# Altium PCB AL1000.PcbDoc (part 2 of 4) (continued)
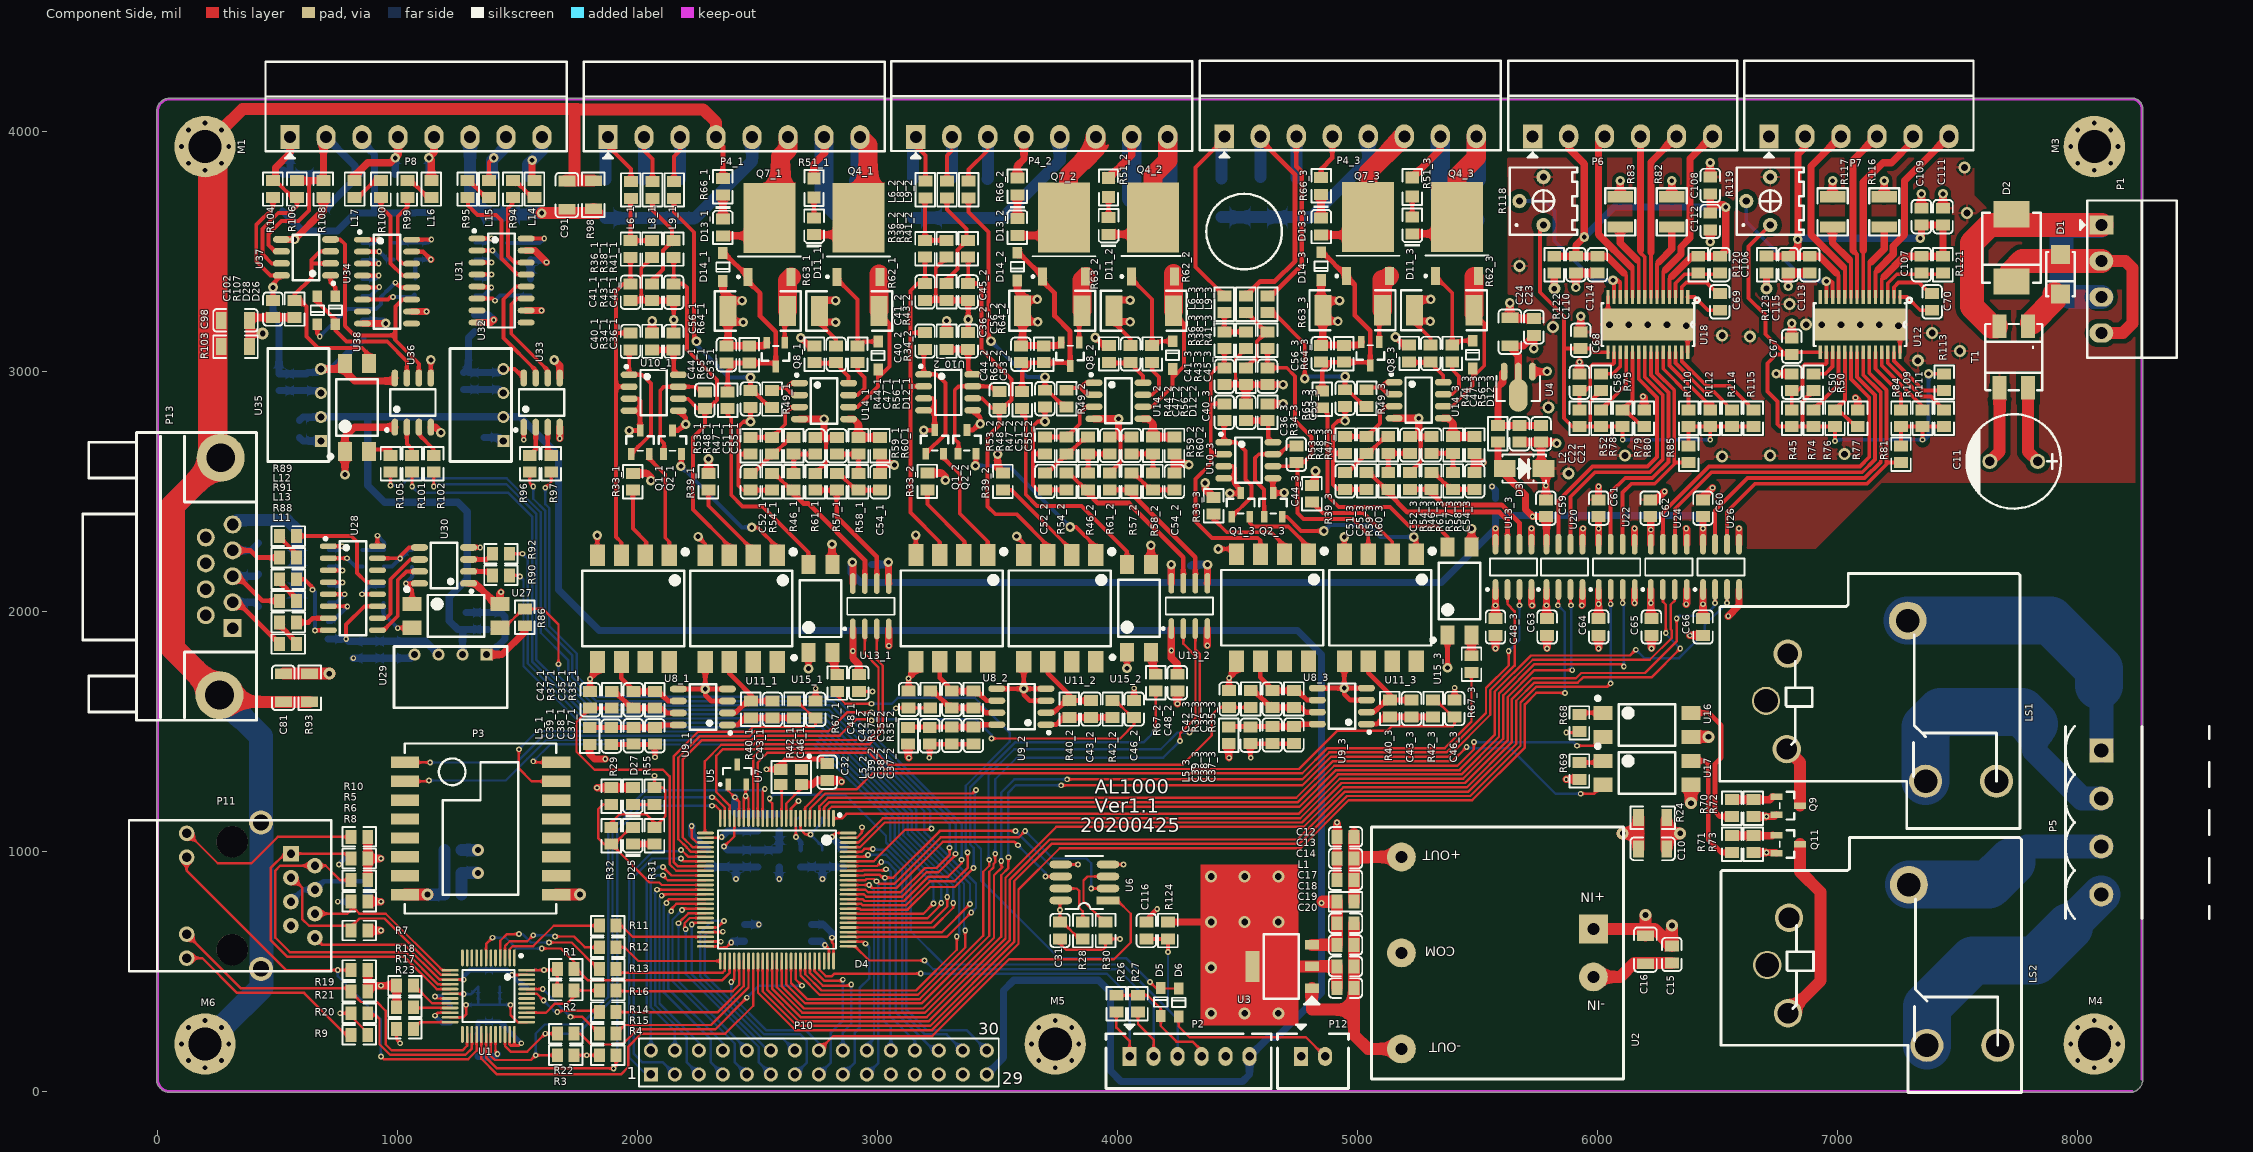
[diagram p0: Component Side view]
## Nets (pads, with @x,y where several pads share a name; then routed paths per layer and width w, separated by ;. In a path a pad name is that pad's centre, name@x,y a point inside that pad or via, vN(x,y) a via of type N, cw(c..) or ccw(c..) an arc to the next point about the centre after c; other vN are vias at no path point) (continued)
  Component Side w20: U10_1.4@1964.41,2836.38 2010,2836.38 ; U10_1.3@1964.41,2886.38 2000,2886.38 2010,2876.38 2010,2836.38 ; v2(1965,2753.19) 2001.02,2753.19 Q1_1.3@2010,2744.21 ; C41_1.1@1970,3294.96 2015,3294.96 R43_1.1@2060,3294.96 C45_1.1@2150,3294.96 2150,3240 ; Q1_1.3@2010,2769.21 2010,2836.38 ; Q2_1.3@2145,2754.21 2169.21,2754.21 v2@2195,2780 ; 2150,3185.04 v2(2150,3215) ; U10_1.5@2169.13,2836.38 2200,2805.51 v2(2200,2780) ; P4_1.4@2326.77,3976.38 2326.77,3965 2355,3936.77 R66_1.2@2355,3805.04 ; U10_2.4@3191.77,2837.8 3237.36,2837.8 ; U10_2.3@3191.77,2887.8 3227.36,2887.8 3237.36,2877.8 3237.36,2837.8 ; v2(3192.36,2754.61) 3228.39,2754.61 Q1_2.3@3237.36,2745.63 ; C41_2.1@3197.36,3296.38 3242.36,3296.38 R43_2.1@3287.36,3296.38 C45_2.1@3377.36,3296.38 v2(3377.36,3216.42) 3377.36,3186.46 ; Q1_2.3@3237.36,2770.63 3237.36,2837.8 ; Q2_2.3@3372.36,2755.63 3396.57,2755.63 v2@3422.36,2781.42 ; U10_2.5@3396.5,2837.8 3427.36,2806.93 v2(3427.36,2781.42) ; U10_3.4@4442.64,2555 4488.23,2555 ; U10_3.3@4442.64,2605 4478.23,2605 4488.23,2595 4488.23,2555 ; C41_3.1@4445,2945 4491.77,2945 R43_3.1@4535,2945 C45_3.1@4625,2945 v2(4690,2945) ; v2(4468.23,2491.81) Q1_3.3@4504.25,2491.81 ; Q1_3.3@4513.23,2492.83 4513.23,2505 4488.23,2530 4488.23,2555 ; U10_3.5@4647.36,2555 4647.36,2493.7 Q2_3.3@4648.23,2492.83 4692.83,2492.83 v2(4695,2495) ; R66_3.2@4848.23,3808.28 4848.23,3843.23 4895,3890 P4_3.4@4895,3980 ; v2@5788.94,2998.94 v2(5790,3000)
  Component Side w30: U14_1.4@2674.41,2801.38 v4(2776.77,2801.38) 2776.77,2733.27 2785,2725.04 ; R62_1.1@2758.31,3206.42 v2@2823.58,3206.42 ; R62_1.1@2758.31,3296.42 v2@2823.58,3296.42 ; v2(2810,2280) 2810,2196.26 U15_1.3@2811.77,2194.49 ; C54_1.1@3010,2575.04 3010,2615 ; R60_1.2@3010,2654.96 3010,2615 ; v2(3045,2205) 3045,2117.68 U13_1.5@3046.77,2115.91 ; v4(3070,2610) 3065,2615 3010,2615 ; R66_2.2@3582.36,3806.08 3582.36,3857.36 3610,3885 3610,3976.93 P4_2.4@3609.13,3977.8 ; U14_2.4@3901.77,2802.8 v4(4004.13,2802.8) 4004.13,2734.69 4012.36,2726.46 ; R62_2.1@3985.67,3207.83 v2@4050.94,3207.83 ; R62_2.1@3985.67,3297.83 v2@4050.94,3297.83 ; U15_2.3@4139.13,2195.91 v2(4139.13,2275) ; C54_2.1@4237.36,2576.46 4237.36,2616.42 ; R60_2.2@4237.36,2656.38 4237.36,2616.42 ; v4(4297.36,2611.42) 4292.36,2616.42 4237.36,2616.42 ; U13_2.5@4374.13,2117.32 4375,2118.19 v2(4375,2195) ; C36_3.1@4535,2865.04 R43_3.1@4535,2945 ; U14_3.4@5152.64,2805 v4(5255,2805) 5255,2736.89 5263.23,2728.66 ; R62_3.1@5236.54,3210.04 v2@5301.81,3210.04 ; R62_3.1@5236.54,3255.04 5247.78,3266.28 5247.78,3300 v2(5305,3300) ; U15_3.3@5475,2268.07 v2(5475,2345) ; C54_3.1@5488.23,2578.66 5488.23,2620 ; R60_3.2@5488.23,2658.58 5488.23,2620 ; v3(5525,2620) 5488.23,2620 ; v2(5635,3285) C24.1@5635,3223.66 5638.62,3220.04 C23.1@5735,3220.04 ; C22.1@5675,2704.96 C21.1@5765,2704.96 ; U13_3.5@5725,2280 v3(5725,2345) ; U4.1@5729.06,2998.94 v2@5788.94,2998.94 ; D3.2@5755,2595 5765,2605 C21.1@5765,2704.96 ; D3.2@5775,2595 5785,2585 v3(5785,2525.02) C59.1@5785,2465.04 ; v2(5830,2700) 5825.04,2704.96 C21.1@5765,2704.96 ; v2(5910,3350) C110.1@5910,3409.96 C114.1@6000,3409.96 ; C58.2@5925,2990.08 v3(5925,3040) ; C68.2@5930,3165.04 v2(5930,3230) ; U20.5@5937.5,2280 5937.5,2342.5 v3(5940,2345) ; C61.1@6005,2465.04 v3(6005,2520) ; R83.1@6095,3727.99 v2(6095,3795) ; U22.5@6155,2280 v3(6155,2345) ; v3(6190,2895) 6195,2890 R80.2@6195,2840.04 ; C62.1@6220,2465.04 6245.04,2465.04 v3(6280,2500) ; R82.1@6310,3727.99 v2(6310,3795) ; v3(6370,2345) 6372.5,2342.5 U24.5@6372.5,2280 ; C60.1@6440,2465.04 6440,2475 v3(6480,2515) ; v2(6470,3540) C112.1@6470,3589.96 ; C108.1@6470,3810.04 v2(6470,3870) ; U26.5@6590,2280 v3(6590,2345) ; v2(6745,2990) 6745.08,2990.08 C50.2@6810,2990.08 ; v2(6795,3355) C115.1@6795,3409.96 C113.1@6885,3409.96 ; C67.2@6810,3140.04 v2(6810,3200) ; R117.1@6980,3727.99 v2(6980,3795) ; v3(7075,2890) 7085,2880 R77.2@7085,2840.04 ; R116.1@7195,3727.99 v2(7195,3795) ; C109.1@7350,3680.04 v2(7350,3740) ; C111.1@7440,3680.04 v2(7440,3740)
  Component Side w50: M1.5@127.95,3868.11 M1.1@196.85,3937.01 M1.7@265,4005.16 ; P13.10@262,2640 265,2643 R103.2@265,3102.99 C98.2@265,3212.99 265,3937.01 M1.7@265,4005.16 ; P13.11@285.32,1622.68 C81.2@522.99,1622.68 R93.2@632.99,1622.68 ; C91.2@1702.01,3796.65 C91.2@1737.01,3796.65 ; 1750,4093.86 353.7,4093.86 M1.7@265.75,4005.91 M1.7@265,4005.16 ; R98.2@1815,3795 1813.35,3796.65 C91.2@1737.01,3796.65 ; P4_1.4@2326.77,3976.38 2326.77,4038.23 2272.44,4092.56 1737.01,4092.56 C91.2@1737.01,3796.65 ; U2.2@5982.99,476.32 6095,476.32 6153.64,534.96 C15.1@6310,534.96 ; C10.2@6288.66,1010 6288.66,1075 ; R24.2@6288.66,1130 6288.66,1075 ; v6(6345,1075) 6288.66,1075 ; v6(6389.41,1200.59) U17.3@6389.41,1277.01 ; U16.3@6389.41,1477.01 v6(6462.99,1477.01) ; C11.2@7635,2625 7676.02,2666.03 T1.3@7676.02,2932
  Component Side w100: M1.1@196.85,3937.01 217.42,3916.44 217.42,2684.58 P13.10@262,2640 63,2441 63,1845 P13.11@257,1651 P13.11@285.32,1622.68
  Solder Side w30: C49_1.1@2975,2195.04 3035.04,2195.04 v2(3045,2205) ; C49_2.1@4305,2190 4310,2195 v2(4375,2195) v2@4370,2190 ; v3(5560,2520) 5575,2505 C49_3.1@5575,2470.04
  Solder Side w50: D10_1.1@1865,3638.9 D9_1.1@2020,3638.9 D8_1.1@2175,3638.9 2238.9,3638.9 2476.77,3876.77 P4_1.5@2476.77,3976.38 ; D10_2.1@3147.36,3640.32 D9_2.1@3302.36,3640.32 3521.26,3640.32 3759.13,3878.19 P4_2.5@3759.13,3977.8 ; D10_3.1@4433.23,3642.52 D9_3.1@4588.23,3642.52 D8_3.1@4743.23,3642.52 4807.13,3642.52 5045,3880.39 P4_3.5@5045,3980
  Solder Side w100: M6.1@196.85,196.85 M6.7@265.75,265.75 433,433 433,1117 P11.13@430,1120 430,1478 P13.11@257,1651 63,1845 63,2441 P13.10@262,2640
  other v2: 2825,3205 4052.36,3206.42 5303.23,3208.62 2825,3295 4052.36,3296.42
  other v5: 5880,2575 6520,2645 6115,2650 6720,2650 7030,2655 5795,2850 7335,3045 7510,3085 6635,3145 6520,3150 7395,3160 5815,3185 6370,3190 7255,3190 6050,3195 6870,3195 6935,3195 6800,3280 5675,3440 7540,3660 7530,3850
GRS1: C74.2 C75.2 C78.2 C79.1 C80.1 C81.1 D15.1 D16.1 D17.1 P13.5 R93.1 U28.11 U28.15 U29.3 U30.5 | length 1847.6
  Component Side w16: v1(785.04,1884.96) 785.04,1945.04 861.34,2021.34 U28.11@915.51,2021.34 ; U28.15@915.51,2221.34 v1@1001.34,2221.34 ; v1@1005,2225 1046.34,2266.34 U30.5@1090.63,2266.34
  Component Side w50: C81.1@522.99,1740 R93.1@632.99,1740 v6(715,1740)
  Solder Side w16: C74.2@942.99,2186.3 976.3,2186.3 v1(1010,2220) 1045.04,2255.04 C75.2@1060,2255.04
  Solder Side w30: C80.1@710,1884.96 v1(785.04,1884.96) 794.96,1875.04 C79.1@880,1875.04 C78.2@970,1875.04 1114.96,1875.04 U29.3@1170,1820
  Solder Side w50: P13.5@312,2362 330,2380 540,2380 581.1,2338.9 D16.1@581.1,2290 D15.1@581.1,2155 D17.1@581.1,2020
GRS2: C85.2 C86.2 C88.2 C89.1 C90.1 C91.1 D18.1 D19.1 P8.6 R98.1 U31.8 U31.10 U31.15 U32.3 U33.5 | length 1564.5
  Component Side w30: U31.8@1330.63,3203.86 1388.86,3203.86 v1(1400,3215) ; U31.10@1535.35,3253.86 v1(1598.86,3253.86) ; U31.15@1535.35,3503.86 1571.14,3503.86 v1(1620,3455) ; v4(1652.5,3047.5) 1675,3025 U33.5@1675,2972.36
  Component Side w50: v4(1600,3660) R98.1@1797.32,3660 ; R98.1@1815,3677.68 R98.1@1797.32,3660 ; R98.1@1832.32,3660 R98.1@1797.32,3660
  Solder Side w30: C89.1@1275,2924.96 C86.2@1365,2924.96 1425.04,2924.96 U32.3@1440,2910 ; C85.2@1320,3235.08 1379.92,3235.08 v1(1400,3215) ; C90.1@1552.99,3386.38 1552.99,3462.99 C88.2@1555,3465 ; C88.2@1565,3464.96 1610.04,3464.96 v1(1620,3455)
  Solder Side w50: P8.6@1301.18,3976.38 1301.18,3725 1372.32,3653.86 D18.1@1392.99,3653.86 D19.1@1542.99,3653.86 1549.13,3660 v4(1600,3660)
GRS3: C95.2 C96.2 C97.1 C98.1 C100.2 C101.1 C102.1 D20.1 D21.1 D23.1 D24.1 P8.3 R103.1 R107.2 R108.2 U34.8 U34.10 U34.15 U35.3 U36.5 U37.5 | length 2389.4
  Component Side w16: U34.15@1057.72,3499.41 1104.92,3499.41 v1(1138.03,3466.3) ; U36.5@1137.99,2972.36 v4(1137.99,3047.99)
  Component Side w30: R103.1@382.32,3102.99 382.32,3157.99 ; v6(437.01,3157.99) 382.32,3157.99 ; U37.5@515.28,3550 v4(570,3550) 690,3670 R108.2@690,3724.96 ; R107.2@570,3224.96 C102.1@480,3224.96 394.29,3224.96 C98.1@382.32,3212.99 382.32,3157.99 ; U34.8@852.99,3199.41 949.41,3199.41 v4(950,3200) ; U34.10@1057.72,3249.41 v1(1119.41,3249.41) ; v1@1137.99,3466.26 v1(1138.03,3466.3)
  Solder Side w16: C97.1@1072.99,3386.38 C96.2@1072.99,3466.3 v1(1138.03,3466.3)
  Solder Side w30: C101.1@505,2919.96 C100.2@595,2919.96 670.04,2919.96 U35.3@680,2910 ; D24.1@520,3668.9 D24.1@540,3648.9 ; D24.1@540,3660 D24.1@540,3648.9 ; P8.3@852.99,3953.86 902.99,3903.86 902.99,3662.99 ; C95.2@855,3210.04 939.96,3210.04 v4(950,3200) ; D21.1@1130,3660 1127.24,3662.76 1075,3662.76 1072.48,3660.24 822.99,3660.24 747.76,3585 603.9,3585 D24.1@540,3648.9
NC: U2.4
NetC3_1: C3.1 C4.1 C5.1 C6.2 U1.18 U1.23 U1.37 | length 697.5
  Component Side w10: U1.23@1218.54,307.76 1272.76,307.76 1285,320 v1(1285,360) ; U1.18@1218.54,406.18 1273.82,406.18 v1(1275,405) ; v1(1470,360) 1470,318.07 1500,288.07 U1.37@1537.44,288.07
  Solder Side w10: v1(1275,405) 1305.04,405 C6.2@1335,434.96 C3.1@1335,360.04 ; v1(1285,360) C3.1@1335,360.04 ; C3.1@1335,360.04 C4.1@1425,360.04 C4.1@1425,360.04 ; C5.1@1425,434.96 C4.1@1425,360.04 ; v1(1470,360) C4.1@1425,360.04
NetC12_2: C12.2 C13.2 C14.2 L1.1 U2.5 | length 476.9
  Component Side w50: L1.1@4985.04,790 C14.2@4985.04,880 C13.2@4985.04,970 C12.2@4985.04,1060 C12.2@4985.04,1072.65 ; C13.2@4988.72,976.32 U2.5@5182.99,976.32
NetC21_2: C21.2 C22.2 L2.1 U4.3 | length 414.6
  Component Side w30: U4.3@5610.94,2998.94 5605,2992.99 5605,2955 5585,2935 L2.1@5585,2775.04 C22.2@5675,2775.04 C21.2@5765,2775.04
NetC33_2: C33.2 C34.1 L4.1 P3.8 | length 350.2
  Component Side w50: P3.8@1030.04,819.41 v6(1124.41,819.41)
  Solder Side w50: v6(1124.41,819.41) 1194.37,819.41 C33.2@1194.96,820 C34.1@1194.96,910 L4.1@1194.96,1005
NetC35_1_1: C35_1.1 R35_1.2 U8_1.6 U9_1.6 | length 349.5
  Component Side w20: U8_1.6@1931.77,1788.98 1931.77,1721.42 C35_1.1@1986.73,1666.46 ; C35_1.1@1981.77,1666.46 C35_1.1@1986.73,1666.46 ; U9_1.6@2169.41,1626.42 2126.77,1626.42 2086.73,1666.46 R35_1.2@2071.77,1666.46 C35_1.1@1986.73,1666.46
NetC35_1_2: C35_1.2 R35_1.1 R37_1.1 U9_1.7 | length 314.9
  Component Side w20: R37_1.1@1891.77,1666.46 1904.54,1666.46 1974.62,1596.38 C35_1.2@1981.77,1596.38 R35_1.1@2071.77,1596.38 2101.81,1596.38 2121.77,1576.42 U9_1.7@2169.41,1576.42
NetC35_2_1: C35_2.1 R35_2.2 U8_2.6 U9_2.6 | length 349.5
  Component Side w20: U8_2.6@3259.13,1790.39 3259.13,1722.83 C35_2.1@3314.09,1667.87 ; C35_2.1@3309.13,1667.87 C35_2.1@3314.09,1667.87 ; U9_2.6@3496.77,1627.83 3454.13,1627.83 3414.09,1667.87 R35_2.2@3399.13,1667.87 C35_2.1@3314.09,1667.87
NetC35_2_2: C35_2.2 R35_2.1 R37_2.1 U9_2.7 | length 314.9
  Component Side w20: R37_2.1@3219.13,1667.87 3231.91,1667.87 3301.99,1597.8 C35_2.2@3309.13,1597.8 R35_2.1@3399.13,1597.8 3429.17,1597.8 3449.13,1577.83 U9_2.7@3496.77,1577.83
NetC35_3_1: C35_3.1 R35_3.2 U8_3.6 U9_3.6 | length 349.5
  Component Side w20: U8_3.6@4595,1792.6 4595,1725.04 C35_3.1@4649.96,1670.08 ; C35_3.1@4645,1670.08 C35_3.1@4649.96,1670.08 ; U9_3.6@4832.64,1630.04 4790,1630.04 4749.96,1670.08 R35_3.2@4735,1670.08 C35_3.1@4649.96,1670.08
NetC35_3_2: C35_3.2 R35_3.1 R37_3.1 U9_3.7 | length 314.9
  Component Side w20: R37_3.1@4555,1670.08 4567.77,1670.08 4637.85,1600 C35_3.2@4645,1600 R35_3.1@4735,1600 4765.04,1600 4785,1580.04 U9_3.7@4832.64,1580.04
NetC36_1_2: C36_1.2 R34_1.1 U10_1.8 | length 211.5
  Component Side w20: R34_1.1@2060,3089.96 C36_1.2@2150,3089.96 ; C36_1.2@2150,3099.96 C36_1.2@2150,3089.96 ; U10_1.8@2169.13,2986.38 2150,3005.51 C36_1.2@2150,3089.96
NetC36_2_2: C36_2.2 R34_2.1 U10_2.8 | length 211.5
  Component Side w20: R34_2.1@3287.36,3091.38 C36_2.2@3377.36,3091.38 ; C36_2.2@3377.36,3101.38 C36_2.2@3377.36,3091.38 ; U10_2.8@3396.5,2987.8 3377.36,3006.93 C36_2.2@3377.36,3091.38
NetC36_3_2: C36_3.2 R34_3.1 U10_3.8 | length 211.5
  Component Side w20: C36_3.2@4535,2794.96 R34_3.1@4625,2794.96 R34_3.1@4625,2794.96 R34_3.1@4625,2804.92 ; R34_3.1@4628.23,2808.58 4628.23,2724.13 U10_3.8@4647.36,2705
NetC37_1_2: C37_1.2 C38_1.2 C39_1.2 L5_1.2 U9_1.8 | length 374.1
  Component Side w20: L5_1.2@1800,1515.04 1801.42,1516.46 C38_1.2@1981.77,1516.46 C37_1.2@2071.77,1516.46 2084.29,1516.46 2094.25,1526.42 U9_1.8@2169.41,1526.42
NetC37_2_2: C37_2.2 C38_2.2 C39_2.2 L5_2.2 U9_2.8 | length 374.1
  Component Side w20: L5_2.2@3127.36,1516.46 3128.78,1517.87 C38_2.2@3309.13,1517.87 C37_2.2@3399.13,1517.87 3411.65,1517.87 3421.61,1527.83 U9_2.8@3496.77,1527.83
NetC37_3_2: C37_3.2 C38_3.2 C39_3.2 L5_3.2 U9_3.8 | length 374.1
  Component Side w20: L5_3.2@4463.23,1518.66 4464.65,1520.08 C38_3.2@4645,1520.08 C37_3.2@4735,1520.08 4747.52,1520.08 4757.48,1530.04 U9_3.8@4832.64,1530.04
NetC40_1_1: C40_1.1 C41_1.2 R36_1.1 U8_1.3 U10_1.2 | length 1409
  Component Side w16: U8_1.3@1931.77,2233.86 1931.77,2288.23 1910,2310 1910,2936.38 ; U10_1.2@1964.41,2936.38 1910,2936.38 ; C40_1.1@1970,3160.04 1914.96,3160.04 1910,3165 ; R36_1.1@1970,3474.96 C41_1.2@1970,3365.04 1940.04,3365.04 1910,3335 1910,3165 ; 1910,2936.38 1910,3165
NetC40_1_2: C40_1.2 Q1_1.1 U10_1.1 | length 550.4
  Component Side w16: C40_1.2@1965,3093.78 C40_1.2@1965,3084.96 ; C40_1.2@1970,3089.96 C40_1.2@1965,3084.96 ; Q1_1.1@1972.6,2655.79 2055,2738.19 2055,2950 2018.62,2986.38 U10_1.1@1964.41,2986.38 1965,2986.97 C40_1.2@1965,3083.78 ; C40_1.2@1965,3083.78 C40_1.2@1965,3084.96 ; C40_1.2@1965,3083.78 1964.41,3084.37 C40_1.2@1965,3084.96
NetC40_2_1: C40_2.1 C41_2.2 R36_2.1 U8_2.3 U10_2.2 | length 1450.4
  Component Side w16: U10_2.2@3191.77,2937.8 3137.36,2937.8 ; C40_2.1@3197.36,3161.46 3142.32,3161.46 3137.36,3166.42 ; R36_2.1@3197.36,3476.38 C41_2.2@3197.36,3366.46 3167.4,3366.46 3137.36,3336.42 3137.36,3166.42 ; U8_2.3@3259.13,2235.28 3259.13,2289.65 3137.36,2411.42 3137.36,2937.8 ; 3137.36,2937.8 3137.36,3166.42
NetC40_2_2: C40_2.2 Q1_2.1 U10_2.1 | length 550.4
  Component Side w16: C40_2.2@3192.36,3095.2 C40_2.2@3192.36,3086.38 ; C40_2.2@3197.36,3091.38 C40_2.2@3192.36,3086.38 ; Q1_2.1@3199.96,2657.2 3282.36,2739.61 3282.36,2951.42 3245.98,2987.8 U10_2.1@3191.77,2987.8 3192.36,2988.39 C40_2.2@3192.36,3085.2 ; C40_2.2@3192.36,3085.2 C40_2.2@3192.36,3086.38 ; C40_2.2@3192.36,3085.2 3191.77,3085.79 C40_2.2@3192.36,3086.38
NetC40_3_1: C40_3.1 C41_3.2 R36_3.1 U8_3.3 U10_3.2 | length 1269.8
  Component Side w16: U10_3.2@4442.64,2655 4388.23,2655 ; C40_3.1@4445,2865 4389.96,2865 4388.23,2866.73 ; R36_3.1@4445,3105 R36_3.1@4445,3095.08 C41_3.2@4445,3015.08 4415.04,3015.08 4388.23,2988.27 4388.23,2866.73 ; U8_3.3@4595,2237.48 4595,2295 4584.2,2305.8 4394.2,2305.8 4325,2375 4325,2551.77 4388.23,2615 4388.23,2655 ; 4388.23,2655 4388.23,2866.73
NetC40_3_2: C40_3.2 Q1_3.1 U10_3.1 | length 540.7
  Component Side w16: C40_3.2@4440,2798.74 C40_3.2@4440,2789.92 ; C40_3.2@4443.23,2802.4 C40_3.2@4443.23,2793.15 ; C40_3.2@4445,2794.92 C40_3.2@4443.23,2793.15 ; Q1_3.1@4475.83,2394.41 4558.23,2476.81 4558.23,2525 4533.23,2550 4533.23,2668.62 4496.85,2705 U10_3.1@4442.64,2705 4443.23,2705.59 C40_3.2@4443.23,2793.15 ; C40_3.2@4440,2789.92 4439.41,2789.33 4440,2788.74 C40_3.2@4440,2789.92 ; C40_3.2@4440,2789.92 C40_3.2@4443.23,2793.15
NetC42_2_2: C42_2.2 D4.30 R37_2.2 | length 1611.3
  Component Side w10: D4.30@2282.76,997.48 2222.52,997.48 2205,1015 2205,1015.36 2190.36,1030 2190,1030 2169,1051 2169,1389.91 2259.09,1480 2467.37,1480 2487.37,1500 2795,1500 2875,1580 v1(2975,1580) ; v3(3076.38,1596.38) 3077.8,1597.8 C42_2.2@3129.13,1597.8 R37_2.2@3219.13,1597.8
  Solder Side w10: v1(2975,1580) 3060,1580 v3(3076.38,1596.38)
NetC43_1_1: C43_1.1 R40_1.2 U9_1.2 U11_1.6 | length 393.5
  Component Side w20: U9_1.2@2374.13,1576.42 2406.77,1576.42 2456.81,1626.46 R40_1.2@2471.77,1626.46 ; U11_1.6@2381.77,1788.98 2381.77,1741.42 2496.73,1626.46 C43_1.1@2561.77,1626.46
NetC43_1_2: C43_1.2 R40_1.1 R42_1.1 U9_1.1 | length 290
  Component Side w20: U9_1.1@2374.13,1526.42 2416.77,1526.42 2446.73,1556.38 R40_1.1@2471.77,1556.38 C43_1.2@2561.77,1556.38 R42_1.1@2651.77,1556.38
NetC43_2_1: C43_2.1 R40_2.2 U9_2.2 U11_2.6 | length 393.5
  Component Side w20: U9_2.2@3701.5,1577.83 3734.13,1577.83 3784.17,1627.87 R40_2.2@3799.13,1627.87 ; U11_2.6@3709.13,1790.39 3709.13,1742.83 3824.09,1627.87 C43_2.1@3889.13,1627.87
NetC43_2_2: C43_2.2 R40_2.1 R42_2.1 U9_2.1 | length 290
  Component Side w20: U9_2.1@3701.5,1527.83 3744.13,1527.83 3774.09,1557.8 R40_2.1@3799.13,1557.8 C43_2.2@3889.13,1557.8 R42_2.1@3979.13,1557.8
NetC43_3_1: C43_3.1 R40_3.2 U9_3.2 U11_3.6 | length 393.5
  Component Side w20: U9_3.2@5037.36,1580.04 5070,1580.04 5120.04,1630.08 R40_3.2@5135,1630.08 ; U11_3.6@5045,1792.6 5045,1745.04 5159.96,1630.08 C43_3.1@5225,1630.08
NetC43_3_2: C43_3.2 R40_3.1 R42_3.1 U9_3.1 | length 290
  Component Side w20: U9_3.1@5037.36,1530.04 5080,1530.04 5109.96,1560 R40_3.1@5135,1560 C43_3.2@5225,1560 R42_3.1@5315,1560
NetC44_1_1: C44_1.1 C45_1.2 R41_1.1 U10_1.6 U11_1.3 | length 1580.1
  Component Side w16: R41_1.1@2150,3474.92 C45_1.2@2150,3365.04 2189.96,3365.04 2205,3350 2205,3090 2330,2965 2330,2880 2294.96,2844.96 C44_1.1@2280,2844.96 ; U10_1.6@2169.13,2886.38 2208.62,2886.38 2250.04,2844.96 C44_1.1@2280,2844.96 ; U11_1.3@2381.77,2233.86 2381.77,2273.23 2229.96,2425.04 2229.96,2724.96 2280,2775 C44_1.1@2280,2844.96
NetC44_1_2: C44_1.2 Q2_1.1 U10_1.7 | length 483.7
  Component Side w16: Q2_1.1@2107.6,2645.79 Q2_1.1@2107.6,2655.79 2110,2658.19 2110,2700 2094,2716 2094,2920.38 2110,2936.38 U10_1.7@2169.13,2936.38 2243.62,2936.38 2264.96,2915.04 C44_1.2@2280,2915.04
NetC44_2_1: C44_2.1 C45_2.2 R41_2.1 U10_2.6 U11_2.3 | length 1673.6
  Component Side w16: R41_2.1@3377.36,3476.34 C45_2.2@3377.36,3366.46 3417.32,3366.46 3432.36,3351.42 3432.36,3091.42 3557.36,2966.42 3557.36,2881.42 3522.32,2846.38 C44_2.1@3507.36,2846.38 ; U10_2.6@3396.5,2887.8 3435.98,2887.8 3477.4,2846.38 C44_2.1@3507.36,2846.38 ; U11_2.3@3709.13,2235.28 3709.13,2274.65 3578.78,2405 3490,2405 3457.32,2437.68 3457.32,2726.38 3507.36,2776.42 C44_2.1@3507.36,2846.38
NetC44_2_2: C44_2.2 Q2_2.1 U10_2.7 | length 483.7
  Component Side w16: Q2_2.1@3334.96,2647.2 Q2_2.1@3334.96,2657.2 3337.36,2659.61 3337.36,2701.42 3321.36,2717.42 3321.36,2921.8 3337.36,2937.8 U10_2.7@3396.5,2937.8 3470.98,2937.8 3492.32,2916.46 C44_2.2@3507.36,2916.46
NetC44_3_1: C44_3.1 C45_3.2 R41_3.1 U10_3.6 U11_3.3 | length 1363.9
  Component Side w16: R41_3.1@4625,3104.96 R41_3.1@4625,3095.04 C45_3.2@4625,3015.08 4704.92,3015.08 4740,2980 4740,2795 4808.23,2726.77 4808.23,2653.23 4774.96,2619.96 C44_3.1@4745,2619.96 ; U10_3.6@4647.36,2605 4750,2605 4750,2410 4775,2385 4980,2385 5045,2320 U11_3.3@5045,2237.48
NetC44_3_2: C44_3.2 Q2_3.1 U10_3.7 | length 469.1
  Component Side w16: 4610,2423.23 4610.83,2422.4 ; Q2_3.1@4610.83,2384.41 Q2_3.1@4610.83,2394.41 4610.83,2422.4 ; 4613.23,2420 4610.83,2422.4 ; C44_3.2@4745,2690.04 4710,2690.04 4674.96,2655 U10_3.7@4647.36,2655 4588.23,2655 4572.23,2639 4572.23,2544.94 4610,2507.17 4610,2455 4610.83,2454.17 4610.83,2422.4
NetC46_2_2: C46_2.2 D4.29 R42_2.2 | length 2605.3
  Component Side w10: D4.29@2282.76,1017.17 2228.29,1017.17 2223,1022.46 2223,1022.81 2197.81,1048 2197.46,1048 2187,1058.46 2187,1382.46 2266.54,1462 2474.82,1462 2494.82,1482 2842,1482 2910,1550 2970,1550 v1(2975,1545) ; v3(3475,1470) 4010.94,1470 4069.13,1528.19 C46_2.2@4069.13,1557.8 4061.44,1557.8 3991.36,1627.87 R42_2.2@3979.13,1627.87
  Solder Side w10: v1@2975,1550 3410,1550 3475,1485 v3(3475,1470)
NetC47_1_2: C47_1.2 R44_1.2 U14_1.8 | length 197.2
  Component Side w16: R44_1.2@2736.77,3036.34 2739.13,3033.98 C47_1.2@2824.41,3033.98 ; C47_1.2@2826.77,3036.34 C47_1.2@2824.41,3033.98 ; U14_1.8@2879.13,2951.38 2879.13,2979.25 C47_1.2@2824.41,3033.98
NetC47_2_2: C47_2.2 R44_2.2 U14_2.8 | length 197.2
  Component Side w16: R44_2.2@3964.13,3037.76 3966.5,3035.39 C47_2.2@4051.77,3035.39 ; C47_2.2@4054.13,3037.76 C47_2.2@4051.77,3035.39 ; U14_2.8@4106.5,2952.8 4106.5,2980.67 C47_2.2@4051.77,3035.39
NetC47_3_2: C47_3.2 R44_3.2 U14_3.8 | length 197.2
  Component Side w16: R44_3.2@5215,3039.96 5217.36,3037.6 C47_3.2@5302.64,3037.6 ; C47_3.2@5305,3039.96 C47_3.2@5302.64,3037.6 ; U14_3.8@5357.36,2955 5357.36,2982.87 C47_3.2@5302.64,3037.6
NetC50_1: C50.1 R45.2 U12.16 | length 363.7
  Component Side w16: R45.2@6810,2840.04 C50.1@6810,2920 6835,2920 6855,2940 6855,3019.44 6865.56,3030 6950,3030 6954,3034 U12.16@6954,3080
NetC51_1_2: C51_1.2 R46_1.1 R47_1.2 | length 169.9
  Component Side w16: R46_1.1@2650,2575.04 R47_1.2@2650,2654.96 C51_1.2@2740,2654.96
NetC51_2_2: C51_2.2 R46_2.1 R47_2.2 | length 169.9
  Component Side w16: R46_2.1@3877.36,2576.46 R47_2.2@3877.36,2656.38 C51_2.2@3967.36,2656.38
NetC51_3_2: C51_3.2 R46_3.1 R47_3.2 | length 169.9
  Component Side w16: R46_3.1@5128.23,2578.66 R47_3.2@5128.23,2658.58 C51_3.2@5218.23,2658.58
NetC52_1_2: C52_1.2 R47_1.1 R48_1.2 | length 242.1
  Component Side w16: C52_1.2@2480.08,2575.04 R48_1.2@2560,2654.96 ; R48_1.2@2567.15,2654.96 R47_1.1@2637.23,2725.04
  Component Side w20: C52_1.2@2470,2575.04 C52_1.2@2480.08,2575.04 ; R48_1.2@2560,2654.96 R48_1.2@2567.15,2654.96 ; R47_1.1@2637.23,2725.04 R47_1.1@2650,2725.04
NetC52_2_2: C52_2.2 R47_2.1 R48_2.2 | length 242.1
  Component Side w16: C52_2.2@3707.44,2576.46 R48_2.2@3787.36,2656.38 ; R48_2.2@3794.51,2656.38 R47_2.1@3864.59,2726.46
  Component Side w20: C52_2.2@3697.36,2576.46 C52_2.2@3707.44,2576.46 ; R48_2.2@3787.36,2656.38 R48_2.2@3794.51,2656.38 ; R47_2.1@3864.59,2726.46 R47_2.1@3877.36,2726.46
NetC52_3_2: C52_3.2 R47_3.1 R48_3.2 | length 242.1
  Component Side w16: C52_3.2@4958.31,2578.66 R48_3.2@5038.23,2658.58 ; R48_3.2@5045.38,2658.58 R47_3.1@5115.46,2728.66
  Component Side w20: C52_3.2@4948.23,2578.66 C52_3.2@4958.31,2578.66 ; R48_3.2@5038.23,2658.58 R48_3.2@5045.38,2658.58 ; R47_3.1@5115.46,2728.66 R47_3.1@5128.23,2728.66
NetC53_1_2: C53_1.2 L9_1.2 R49_1.1 | length 1104.9
  Component Side w16: L9_1.2@2151.77,3721.34 2151.77,3663.23 2235,3580 2235,3135 v2(2245,3125) ; v2(2470,2975) C53_1.2@2470,2920.04 2479.96,2920.04 2550.04,2849.96 R49_1.1@2560,2849.96
  Solder Side w16: v2(2245,3125) 2245,3110 2380,2975 v2(2470,2975)
NetC53_2_2: C53_2.2 L9_2.2 R49_2.1 | length 1096.1
  Component Side w16: L9_2.2@3379.13,3722.76 3379.13,3664.65 3462.36,3581.42 3462.36,3136.42 v2(3472.36,3126.42) ; v2(3697.36,2976.42) C53_2.2@3697.36,2921.46 3707.32,2921.46 3777.4,2851.38 R49_2.1@3787.36,2851.38
  Solder Side w16: v2(3472.36,3126.42) 3622.36,2976.42 v2(3697.36,2976.42)
NetC53_3_2: C53_3.2 L9_3.2 R49_3.1 | length 699.7
  Component Side w16: L9_3.2@4625,3245.12 4649.88,3245.12 4780,3115 v2(4780,2970) ; v2(4948.23,2978.62) C53_3.2@4948.23,2923.66 4958.19,2923.66 5028.27,2853.58 R49_3.1@5038.23,2853.58
  Solder Side w16: v2(4780,2970) 4788.62,2978.62 v2(4948.23,2978.62)
NetC54_1_2: C54_1.2 R57_1.1 R58_1.2 | length 209
  Component Side w16: R57_1.1@2830,2575.04 2839.96,2575.04 2910.04,2504.96 R58_1.2@2920,2504.96 C54_1.2@3010,2504.96
NetC54_2_2: C54_2.2 R57_2.1 R58_2.2 | length 209
  Component Side w16: R57_2.1@4057.36,2576.46 4067.32,2576.46 4137.4,2506.38 R58_2.2@4147.36,2506.38 C54_2.2@4237.36,2506.38
NetC54_3_2: C54_3.2 R57_3.1 R58_3.2 | length 209
  Component Side w16: R57_3.1@5308.23,2578.66 5318.19,2578.66 5388.27,2508.58 R58_3.2@5398.23,2508.58 C54_3.2@5488.23,2508.58
NetC55_1_2: C55_1.2 R58_1.1 R59_1.2 | length 169.9
  Component Side w16: C55_1.2@2830,2654.96 R59_1.2@2920,2654.96 R58_1.1@2920,2575.04
NetC55_2_2: C55_2.2 R58_2.1 R59_2.2 | length 169.9
  Component Side w16: C55_2.2@4057.36,2656.38 R59_2.2@4147.36,2656.38 R58_2.1@4147.36,2576.46